# Altium PCB Motor.PcbDoc (part 2 of 2)
Units mm, origin at the board's own origin, x right, y up, seen from the top; angles counter-clockwise.
Board outline 250 x 130 mm, 2 copper layers (Top Layer, Bottom Layer), stack 1.671 mm thick; 225 components, 148 nets, 627 pads, 914 vias.
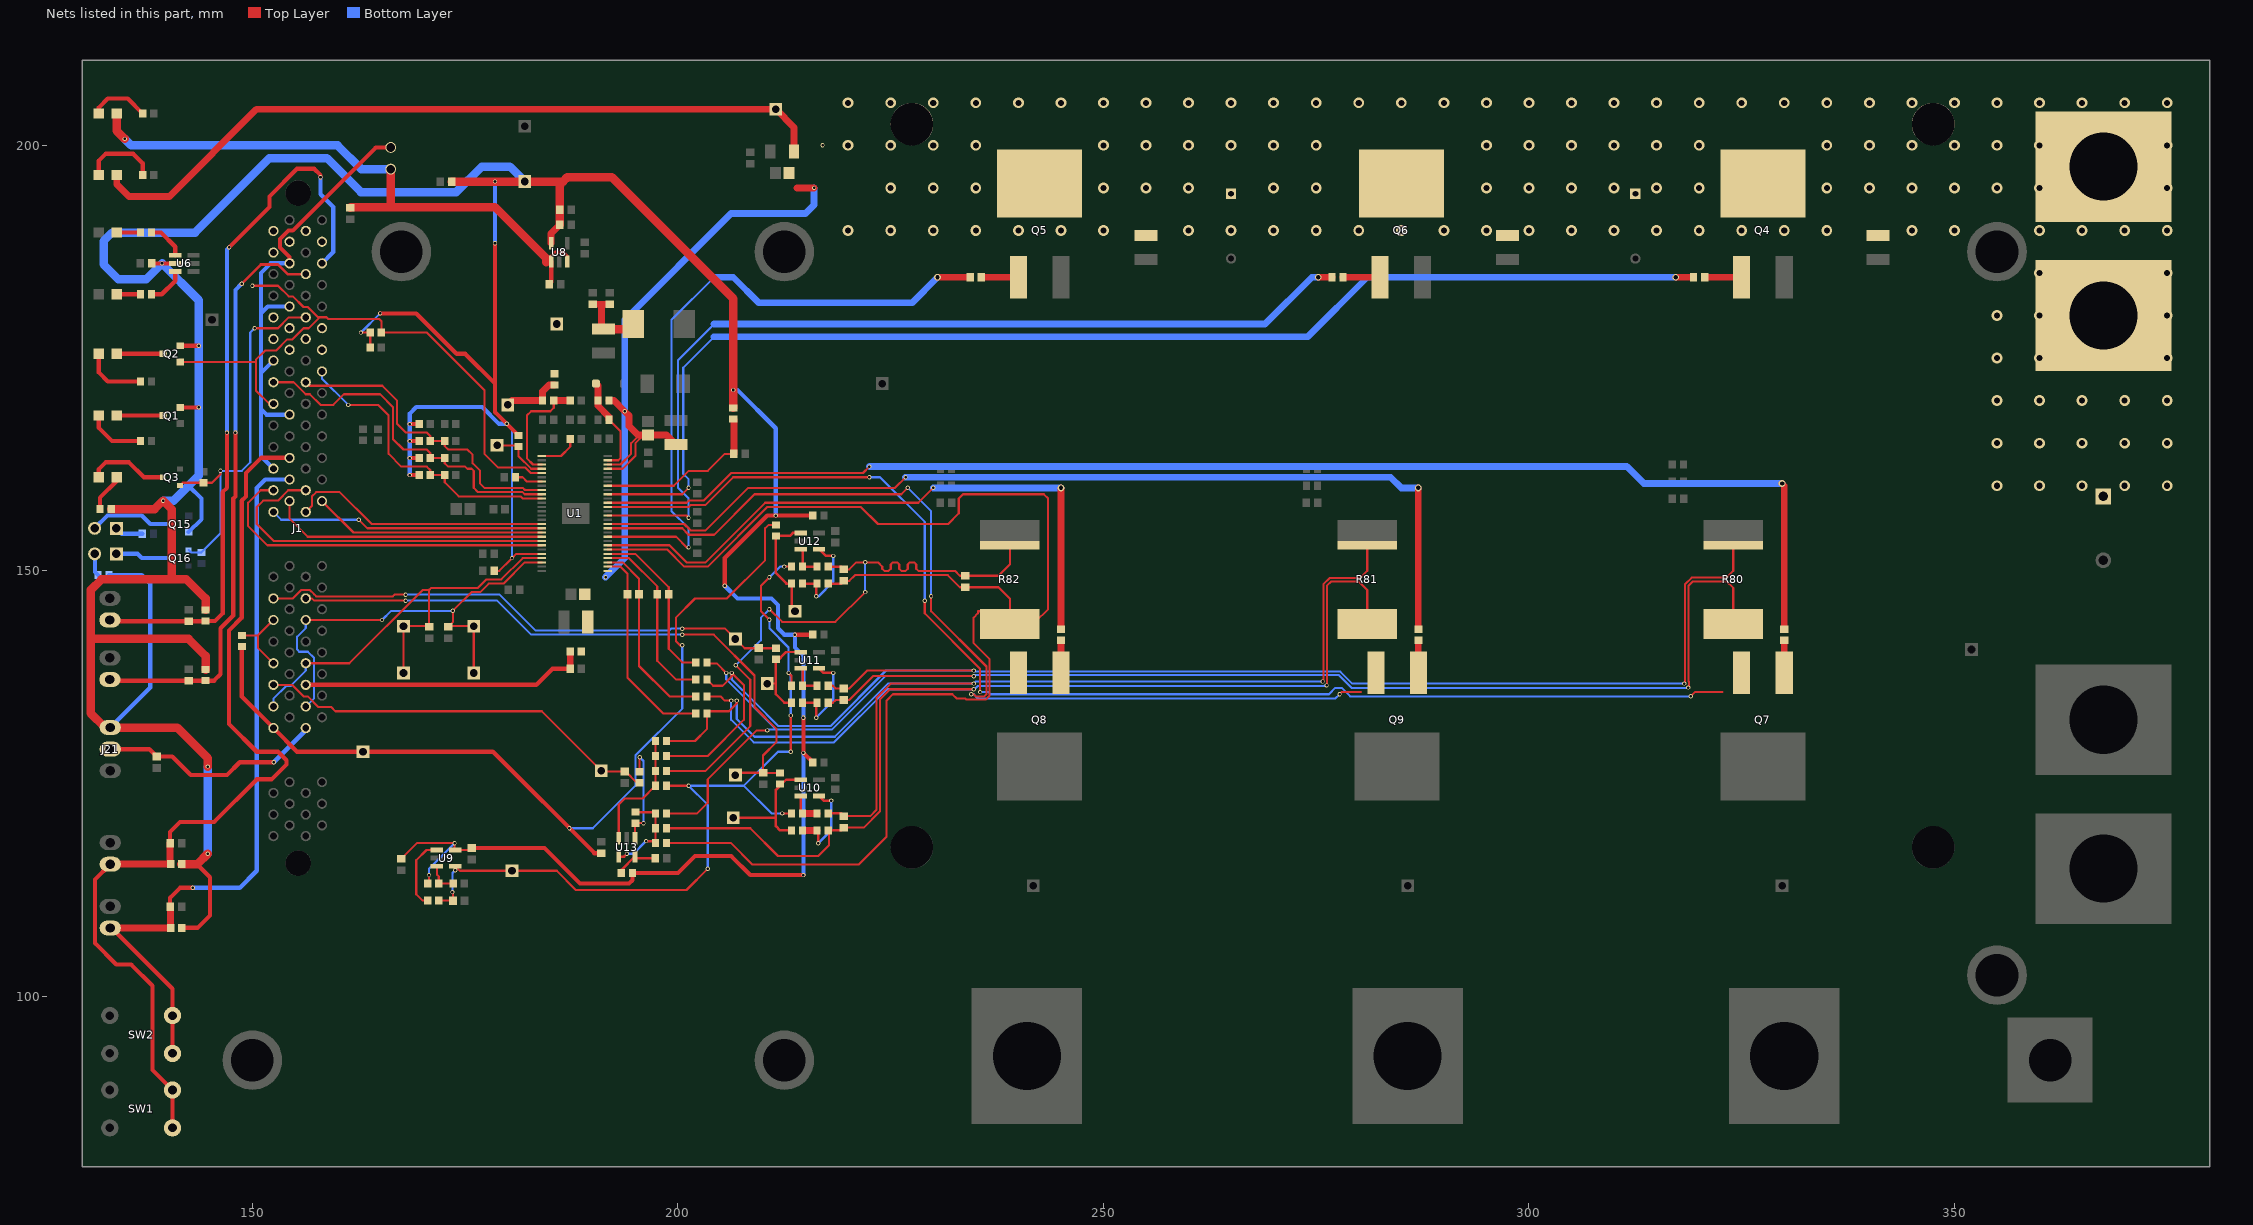
[diagram p2: the nets of this part, all layers, seen from the top]

## Via types
v1: diameter 1.27, hole 0.711, Top Layer to Bottom Layer, tented both sides, 670 vias
v2: diameter 0.5, hole 0.3, Top Layer to Bottom Layer, tented both sides, 214 vias
v3: diameter 1.524, hole 1.016, Top Layer to Bottom Layer, tented both sides, 24 vias
v4: diameter 0.8, hole 0.5, Top Layer to Bottom Layer, tented both sides, 6 vias

## Nets (pads, with @x,y where several pads share a name; then routed paths per layer and width w, separated by ;. In a path a pad name is that pad's centre, name@x,y a point inside that pad or via, vN(x,y) a via of type N, cw(c..) or ccw(c..) an arc to the next point about the centre after c; other vN are vias at no path point) (continued)
NetC79_1: C79.1 R110.2 U1.32 | length 21.4
  Top Layer w0.25: U1.32@191.75,151.5 194.25,151.5 197.575,148.175 C79.1@197.575,147.25 197.575,139.425 199.75,137.25 R110.2@202.1,137.25
NetC79_2: C79.2 R109.2 U1.33 | length 19.9
  Top Layer w0.25: U1.33@191.75,152 195,152 198.925,148.075 C79.2@198.925,147.25 198.925,140.825 200.5,139.25 R109.2@202.1,139.25
NetC80_1: C80.1 R112.2 U1.30 | length 24.7
  Top Layer w0.25: U1.30@191.75,150.5 193.25,150.5 194.075,149.675 C80.1@194.075,147.25 194.075,137.425 198.25,133.25 R112.2@202.1,133.25
NetC80_2: C80.2 R111.2 U1.31 | length 22.9
  Top Layer w0.25: U1.31@191.75,151 193.5,151 195.425,149.075 C80.2@195.425,147.25 195.425,138.825 199,135.25 R111.2@202.1,135.25
NetC85_2: C85.2 R117.2 U13.5 | length 5
  Top Layer w0.3: R117.2@193.35,114.5 193.35,114.85 194.925,116.425 U13.5@194.95,116.425 195.125,116.25 C85.2@197.325,116.25
NetC86_2: C86.2 J1.61 R130.1 TP23.1 | length 47.3
  Top Layer w0.254: J1.61@152.46,136.605 154.645,136.605 156,135.25 156.5,135.25 157.75,134 159.25,134 159.75,133.5 184,133.5 TP23.1@191,126.5 ; TP23.1@191.075,126.425 C86.2@193.75,126.425 ; C86.2@193.85,126.425 R130.1@195.175,125.1
NetC87_2: C87.2 J1.9 J1.17 TP15.1 TP16.1 U1.26 | length 52.6
  Top Layer w0.25: J1.17@156.27,144.225 v2(165.225,144.225) ; TP16.1@176,138.75 TP15.1@176,143.5 173.075,143.5 173.55,143.975 v2(173.55,145.3) 175.75,147.5 176.75,147.5 177.75,148.5 179.5,148.5 182,151 U1.26@184,151
  Bottom Layer w0.25: J1.9@156.27,134.065 157.25,135.045 157.25,139.75 156.5,140.5 155.5,140.5 155.25,140.75 155.25,142.25 156.27,143.27 J1.17@156.27,144.225 ; v2(165.225,144.225) 166.3,145.3 v2(173.55,145.3)
NetC88_2: C88.2 J1.13 J1.59 TP17.1 TP21.1 U1.25 | length 51.8
  Top Layer w0.25: J1.13@156.27,139.145 161.395,139.145 170,147.75 170.75,147.75 ; TP17.1@167.75,138.75 TP21.1@167.75,143.5 C88.2@170.675,143.5 ; C88.2@170.75,143.425 170.75,147.75 ; U1.25@184,151.5 181.75,151.5 179.25,149 177.5,149 176.5,148 171,148 170.75,147.75
  Bottom Layer w0.25: J1.59@152.46,134.065 152.46,134.96 154,136.5 154.5,136.5 156.27,138.27 J1.13@156.27,139.145
NetC95_2: C95.2 J1.19 R133.1 TP24.1 | length 74.9
  Top Layer w0.25: J1.19@156.27,146.765 156.985,146.765 157.25,146.5 v2(168,146.5) ; v2(200.5,142.5) 204.2,142.5 209,137.7 209,134 211.6,131.4 211.6,129.9 210,128.3 C95.2@210,126.275 207.025,126.275 TP24.1@206.75,126 ; C95.2@210.075,126.25 R133.1@212,126.25
  Bottom Layer w0.25: v2(168,146.5) 178.75,146.5 182.75,142.5 v2(200.5,142.5)
NetC96_2: C96.2 J1.69 R134.1 TP25.1 | length 62.6
  Top Layer w0.25: J1.69@152.46,146.765 154.765,146.765 155.75,147.75 156.75,147.75 157.25,147.25 157.5,147 166.5,147 166.7,147.2 v2(168,147.2) ; v2(200.5,143.21) 205.54,143.21 207.85,140.9 R134.1@211.5,140.9
  Bottom Layer w0.25: v2(168,147.2) 179.05,147.2 183.25,143 199,143 199.21,143.21 v2(200.5,143.21)
NetC97_2: C97.2 J1.57 R50.2 R135.1 TP19.1 | length 106.5
  Top Layer w0.25: v2(200.5,141.25) 200.25,141.25 199.75,141.75 199.75,144.5 202,146.75 205.75,146.75 210.25,151.25 210.25,155 210.65,155.4 R135.1@211.5,155.4
  Top Layer w0.5: R50.2@148.75,141.1 148.75,135.235 J1.57@152.46,131.525 155.235,128.75 178.25,128.75 190.175,116.825 C97.2@191,116.825
  Bottom Layer w0.25: v2(187.25,119.75) 190,119.75 194.998,124.748 194.998,128.308 200.5,133.81 v2(200.5,141.25)
NetC150_2: C150.2 J1.46 J50.1 R150.1 | length 84.2
  Top Layer w0.5: J50.1@133.25,144.23 133.405,144.075 C150.2@142.5,144.075 R150.1@144.5,144.075 ; R150.1@144.5,144.1 145.6,144.1 146.5,145 146.5,159.25 147,159.75 v2(147,166.25) ; v2(147.25,188) 152,192.75 152,194 155.25,197.25 157.25,197.25 158,196.5 v2(158,196.25)
  Bottom Layer w0.5: v2(147,166.25) 147,187.75 v2(147.25,188) ; v2(158,196.25) 158,194.25 159.5,192.75 159.5,187.46 J1.46@158.175,186.135
NetC151_2: C151.2 J1.45 J51.1 R151.1 | length 69.2
  Top Layer w0.3: v2(148.75,183.75) 151,186 153,186 154.135,184.865 J1.45@156.27,184.865
  Top Layer w0.5: J51.1@133.25,137.23 133.405,137.075 R151.1@144.5,137.075 ; R151.1@144.5,137.1 145.5,137.1 146.25,137.85 146.25,143.25 147.75,144.75 147.75,158.5 148,158.75 v2(148,166.25)
  Bottom Layer w0.5: v2(148,166.25) 148,183 v2(148.75,183.75)
NetD2_1: D2.1 R2.1 R3.2 U1.55 | length 11.5
  Top Layer w0.25: U1.55@191.75,163 193,163 193.25,163.25 193.25,166.4 R3.2@191.9,167.75
  Top Layer w0.8: D2.1@190.365,172 190.6,171.765 R2.1@190.6,170 190.6,169.4 191.9,168.1 R3.2@191.9,167.75
NetJ1_23: J1.23 U1.17 | length 30.9
  Top Layer w0.25: J1.23@156.27,156.925 157,157.655 157,158.75 157.5,159.25 160.25,159.25 164,155.5 U1.17@184,155.5
NetJ1_24: J1.24 U1.19 | length 27.4
  Top Layer w0.25: J1.24@158.175,158.195 161.87,154.5 U1.19@184,154.5
NetJ1_25: J1.25 U1.21 | length 42.9
  Top Layer w0.25: J1.25@156.27,159.465 154.215,159.465 153,158.25 151.25,158.25 150.5,157.5 150.5,155.5 152.5,153.5 U1.21@184,153.5
NetJ1_63: J1.63 J1.67 R50.1 | length 8.5
  Top Layer w0.25: R50.1@148.75,142.4 150.635,142.4 ; J1.63@152.46,139.145 150.635,140.97 150.635,142.4 ; J1.67@152.46,144.225 150.635,142.4
NetJ1_73: J1.73 U1.18 | length 32.3
  Top Layer w0.25: v2(162.5,156) 163.5,155 U1.18@184,155
  Bottom Layer w0.25: J1.73@152.46,156.925 153.385,156 v2(162.5,156)
NetJ1_74: J1.74 U1.20 | length 32.6
  Top Layer w0.25: J1.74@154.365,158.195 154.365,156.135 156.5,154 U1.20@184,154
NetJ1_75: J1.75 U1.22 | length 41.7
  Top Layer w0.25: J1.75@152.46,159.465 150.965,159.465 149.5,158 149.5,155.25 151.75,153 U1.22@184,153
NetJ1_83: J1.83 Q2.1 R10.2 U1.5 | length 73.1
  Top Layer w0.25: Q2.1@141.5,174.55 150.35,174.55 150.4,174.5 ; v2(150,183.5) 153,183.5 154.25,182.25 154.75,182.25 156,181 156.5,181 157.7,179.8 157.9,179.8 ; J1.83@152.46,169.625 151.975,169.625 150.4,171.2 150.4,174.5 ; U1.5@184,161.5 182.717,161.5 182.09,162.127 178.873,162.127 177.25,163.75 177.25,171.25 170.5,178 R10.2@165.15,178 165.15,179.35 164.9,179.6 158.9,179.6 158.7,179.8 157.9,179.8 ; 150.4,174.5 150.4,174.8 151.5,175.9 152.8,175.9 154.1,177.2 154.7,177.2 156,178.5 156.6,178.5 157.9,179.8
NetJ30_1: J30.1 Q16.2 | length 6.7
  Bottom Layer w0.5: J30.1@134,152 136.5,152 137,151.5 Q16.2@140.5,151.5
NetJ30_2: J30.2 R156.1 | length 2.7
  Bottom Layer w0.5: J30.2@131.46,152 131.5,151.96 131.5,149.85 R156.1@131.85,149.5
NetJ31_1: J31.1 R157.2 | length 3.3
  Bottom Layer w0.5: J31.1@134,155 134.643,154.357 R157.2@137.064,154.357
NetJ31_2: J31.2 Q15.2 | length 10.1
  Bottom Layer w0.5: J31.2@131.46,155 132.96,156.5 137,156.5 138,155.5 Q15.2@140.5,155.5
NetLED1_2: LED1.2 R48.2 | length 9
  Top Layer w0.5: LED1.2@131.95,196.5 131.95,198.2 132.75,199 136,199 137.1,197.9 R48.2@137.1,196.5
NetLED3_2: LED3.2 R49.2 | length 7
  Top Layer w0.5: LED3.2@131.95,203.75 131.95,204.45 133,205.5 135.35,205.5 R49.2@137.1,203.75
NetLED5_1: LED5.1 Q2.2 | length 5.4
  Top Layer w0.5: LED5.1@134.05,175.5 Q2.2@139.5,175.5
NetLED5_2: LED5.2 R15.1 | length 7.5
  Top Layer w0.5: LED5.2@131.95,175.5 131.95,173.3 133,172.25 R15.1@136.85,172.25
NetLED6_1: LED6.1 Q1.2 | length 5.4
  Top Layer w0.5: LED6.1@134.05,168.25 Q1.2@139.5,168.25
NetLED6_2: LED6.2 R14.1 | length 7
  Top Layer w0.5: LED6.2@131.95,168.25 131.95,166.8 133.5,165.25 R14.1@136.85,165.25
NetLED10_1: LED10.1 R27.2 | length 2.8
  Top Layer w0.5: LED10.1@134.05,189.75 R27.2@136.85,189.75
NetLED11_1: LED11.1 R24.2 | length 2.8
  Top Layer w0.5: LED11.1@134.05,182.5 R24.2@136.85,182.5
NetLED12_1: LED12.1 R18.2 | length 4.6
  Top Layer w0.5: R18.2@132.1,157.25 132.1,158.6 134.05,160.55 LED12.1@134.05,161
NetLED12_2: LED12.2 Q3.2 | length 9.6
  Top Layer w0.5: LED12.2@131.95,161 131.95,161.95 132.75,162.75 135.5,162.75 137.25,161 Q3.2@139.5,161
NetQ4_2: Q4.2 R66.1 | length 4.4
  Top Layer w0.8: R66.1@320.65,184.5 Q4.2@325,184.5
NetQ5_2: Q5.2 R67.1 | length 4.3
  Top Layer w0.8: R67.1@235.65,184.5 Q5.2@240,184.5
NetQ6_2: Q6.2 R68.1 | length 4.3
  Top Layer w0.8: R68.1@278.15,184.5 Q6.2@282.5,184.5
NetQ7_2: Q7.2 R69.1 | length 3.9
  Top Layer w0.8: Q7.2@330,138 R69.1@330,141.85
NetQ7_3: Q7.3 R80.1 U1.44 | length 151.9
  Top Layer w0.25: U1.44@191.75,157.5 201.25,157.5 201.5,157.75 203.25,157.75 206.5,161 v2(222.5,161) ; v2(229,146.5) 229,145 235.5,138.5 v2(235.5,135.75) ; v2(319,135.25) 319.5,135.75 322.75,135.75
  Bottom Layer w0.25: v2(222.5,161) 223.75,161 229,155.75 v2(229,146.5) ; v2(235.5,135.75) 236.5,135.75 236.75,135.5 276.5,135.5 277.25,136.25 278,136.25 279,135.25 v2(319,135.25)
NetQ8_2: Q8.2 R70.1 | length 3.8
  Top Layer w0.8: Q8.2@245,138 R70.1@245,141.85
NetQ8_3: Q8.3 R82.1 U1.34 | length 76.4
  Top Layer w0.25: U1.34@191.75,152.5 198.75,152.5 200.75,150.5 203.5,150.5
  Top Layer w0.254: 203.5,150.5 210.5,157.5 221.5,157.5 223.5,155.5 231.75,155.5 233,156.75 233,158.5 233.5,159 243,159 243.5,158.5 243.5,145.5 242,144 R82.1@239.75,144
NetQ9_2: Q9.2 R71.1 | length 3.8
  Top Layer w0.8: Q9.2@287,138 R71.1@287,141.85
NetQ9_3: Q9.3 R81.1 U1.39 | length 114.2
  Top Layer w0.254: U1.39@191.75,155 200.5,155 201.25,154.25 204.25,154.25 209,159 226.25,159 v2(227,159.75) ; v2(229.75,147) 229.75,145.25 236.25,138.75 236.25,135.5 235.996,135.246 235.004,135.246 234.748,135.502 v2(234.451,135.502) ; v2(277.75,135.5) 278,135.75 280.25,135.75
  Bottom Layer w0.254: v2(227,159.75) 229.75,157 v2(229.75,147) ; v2(234.451,135.502) 234.453,135.5 234.75,135.5 235.25,135 277.25,135 v2(277.75,135.5)
NetR1_1: R1.1 U1.1 | length 4.7
  Top Layer w0.25: U1.1@184,163.5 186.25,163.5 187.35,164.6 R1.1@187.35,165.5
NetR5_1: R5.1 R6.2 TP2.1 | length 7.1
  Top Layer w0.8: TP2.1@180,169.5 180.5,170 R6.2@184.1,170 184.1,171.1 184.85,171.85 R5.1@185.5,171.85
NetR6_1: R6.1 R7.2 U1.3 | length 13.4
  Top Layer w0.25: U1.3@184,162.5 182.967,162.5 182.25,163.217 182.25,168.25 182.75,168.75 185,168.75 185.4,169.15 R6.1@185.4,170
  Top Layer w0.8: R6.1@185.4,170 R7.2@187.35,170
NetR8_1: R8.1 U1.7 | length 3.3
  Top Layer w0.25: R8.1@180.9,161 181.75,161 182.246,160.504 184,160.504 U1.7@184,160.5
NetR24_1: R24.1 U6.6 | length 4.5
  Top Layer w0.5: R24.1@138.15,182.5 139.35,182.5 140.925,184.075 U6.6@140.925,185.175
NetR27_1: R27.1 U6.4 | length 4.5
  Top Layer w0.5: R27.1@138.15,189.75 139.25,189.75 140.925,188.075 U6.4@140.925,187.075
NetR37_2: R37.2 R38.1 U9.3 | length 3.8
  Top Layer w0.25: U9.3@171.675,115.3 171.675,114.325 171.9,114.1 R37.2@171.9,113.25 R38.1@173.6,113.25
NetR66_2: R66.2 U1.47 | length 147.3
  Top Layer w0.25: U1.47@191.75,159 200.5,159 v2(201.25,159.75)
  Top Layer w0.8: v4(317.25,184.5) R66.2@319.35,184.5
  Bottom Layer w0.25: v2(201.25,159.75) 201.25,160.75 200.627,161.373 200.627,173.877 204.25,177.5
  Bottom Layer w0.8: 204.25,177.5 274,177.5 281,184.5 v4(317.25,184.5)
NetR67_2: R67.2 U1.37 | length 77.3
  Top Layer w0.25: U1.37@191.75,154 199.783,154 201.033,152.75 v2(201.25,152.75)
  Top Layer w0.8: v4(230.5,184.5) R67.2@234.35,184.5
  Bottom Layer w0.25: v2(201.25,152.75) 201.25,155 199.25,157 199.25,179.5 204.25,184.5
  Bottom Layer w0.8: 204.25,184.5 206.5,184.5 209.5,181.5 227.5,181.5 v4(230.5,184.5)
NetR68_2: R68.2 U1.42 | length 109.5
  Top Layer w0.25: U1.42@191.75,156.5 201,156.5 v2(201.25,156.25)
  Top Layer w0.8: v4(275.25,184.5) R68.2@276.85,184.5
  Bottom Layer w0.25: v2(201.25,156.25) 201.25,158.5 200,159.75 200,174.75 204.25,179
  Bottom Layer w0.8: 204.25,179 269,179 274.5,184.5 v4(275.25,184.5)
NetR69_2: R69.2 U1.45 | length 157.8
  Top Layer w0.25: U1.45@191.75,158 201,158 201.25,158.25 203,158.25 206.25,161.5 221.75,161.5 v2(222.5,162.25)
  Top Layer w0.8: v4(329.75,160.25) 330,160 R69.2@330,143.15
  Bottom Layer w0.8: v2(222.5,162.25) 311.5,162.25 313.5,160.25 v4(329.75,160.25)
NetR70_2: R70.2 U1.35 | length 74.3
  Top Layer w0.25: U1.35@191.75,153 199,153 201,151 203.25,151 210.25,158 228.25,158 v2(230,159.75)
  Top Layer w0.8: R70.2@245,143.15 v4(245,159.75)
  Bottom Layer w0.8: v2(230,159.75) v4(245,159.75)
NetR71_2: R71.2 U1.40 | length 115.3
  Top Layer w0.25: U1.40@191.75,155.5 200.717,155.5 201.467,154.75 203.25,154.75 208.25,159.75 225.5,159.75 v2(226.75,161)
  Top Layer w0.8: R71.2@287,143.15 v4(287,159.75)
  Bottom Layer w0.8: v2(226.75,161) 283.75,161 285,159.75 v4(287,159.75)
NetR87_1: R87.1 U9.1 | length 8.6
  Top Layer w0.25: R87.1@170.6,111.25 170,111.25 169.25,112 169.25,116 170.45,117.2 U9.1@171.675,117.2
NetR92_1: R92.1 R107.2 U10.3 | length 3.8
  Top Layer w0.3: U10.3@214.425,123.55 214.425,121.725 R107.2@214.65,121.5
  Top Layer w0.8: R107.2@214.65,121.5 R92.1@216.35,121.5
NetR94_1: R94.1 R95.2 U10.4 | length 10.5
  Top Layer w0.3: R94.1@216.35,119.5 216.5,119.35 v2(216.5,118) ; U10.4@216.575,123.55 217.125,123 v2(218,123)
  Top Layer w0.8: R95.2@214.65,119.5 R94.1@216.35,119.5
  Bottom Layer w0.3: v2(216.5,118) 218,119.5 v2(218,123)
NetR95_1: R95.1 R133.2 TP18.1 U10.1 | length 14.7
  Top Layer w0.254: R133.2@212.25,125 212.7,125.45 U10.1@214.425,125.45
  Top Layer w0.3: TP18.1@206.5,121 211.5,121 ; R133.2@212.25,125 211.5,124.25 211.5,121 ; R95.1@213.35,119.5 212,119.5 211.5,120 211.5,121
NetR99_1: R99.1 R113.2 U12.3 | length 3.8
  Top Layer w0.3: U12.3@214.425,152.55 214.65,152.325 R113.2@214.65,150.5 R99.1@216.35,150.5
NetR101_1: R101.1 R108.2 U11.3 | length 3.5
  Top Layer w0.3: U11.3@214.65,138.325 R108.2@214.65,136.5 R101.1@216.35,136.5
NetR102_1: R102.1 R103.2 U12.4 | length 11
  Top Layer w0.3: R103.2@214.65,148.5 R102.1@216.35,148.5 216.25,148.4 v2(216.25,147) ; U12.4@216.575,152.55 217.375,151.75 v2(218.25,151.75)
  Bottom Layer w0.3: v2(216.25,147) 216.5,147 218.25,148.75 v2(218.25,151.75)
NetR103_1: R103.1 R135.2 TP27.1 U12.1 | length 13.2
  Top Layer w0.3: TP27.1@213.75,145.25 213.35,145.65 R103.1@213.35,148.5 212.75,148.5 211.5,149.75 R135.2@211.5,154.1 213.15,154.1 213.5,154.45 U12.1@214.425,154.45
NetR104_1: R104.1 R105.2 U11.4 | length 11.5
  Top Layer w0.3: R105.2@214.65,134.5 R104.1@216.35,134.5 216.25,134.4 v2(216.25,132.75) ; U11.4@216.575,138.55 217.125,138 v2(218.25,138)
  Bottom Layer w0.3: v2(216.25,132.75) 218.25,134.75 v2(218.25,138)
NetR105_1: R105.1 R134.2 TP22.1 U11.1 | length 10.4
  Top Layer w0.25: TP22.1@210.5,136.75 211.5,136.75
  Top Layer w0.254: 212.7,140.45 U11.1@214.425,140.45
  Top Layer w0.3: 212.7,140.45 211.5,139.25 211.5,136.75 211.5,135.5 212.5,134.5 R105.1@213.35,134.5
NetR122_1: R122.1 R123.1 R124.1 R128.1 U13.3 | length 14.4
  Top Layer w0.254: U13.3@193.05,118.575 193.05,122.55 193.75,123.25 195.85,123.25 R128.1@197.35,124.75 R124.1@197.35,126.5 R122.1@197.35,128.25 R123.1@197.35,130
NetR125_1: R125.1 R126.1 R127.1 R129.2 U13.4 | length 10.8
  Top Layer w0.254: R129.2@195,121.635 R125.1@197.23,121.635 ; R127.1@197.365,118.134 R125.1@197.365,121.5
  Top Layer w0.3: U13.4@193.05,116.425 193.675,116.425 v2(194,116.75) ; v2(196.25,118.25) 197.1,118.25 R127.1@197.35,118
  Bottom Layer w0.3: v2(194,116.75) 194.75,116.75 v2(196.25,118.25)
NetR129_1: R129.1 R130.2 U13.1 | length 12.4
  Top Layer w0.254: U13.1@194.95,118.575 194.95,120.315 R129.1@195,120.365 ; R129.1@195,120.35 v2(195.95,120.35) ; R130.2@195.5,126.4 v2(195.5,128.1)
  Bottom Layer w0.254: v2(195.5,128.1) 195.95,127.65 v2(195.95,120.35)
PVDD: C5.2 C6.2 C7.2 C8.2 C50.1 C51.2 C81.2 C82.2 C83.2 C93.1 C94.1 LED1.1 M1.1 M2.1 pad.1 pad.2@347.5,202.5 Q4.1 Q5.1 Q6.1 R2.2 R35.1 R39.2 TP6.1 U1.29 U1.53 U1.54 | length 175.6
  Top Layer w0.25: U1.53@191.75,162 193.5,162 195,163.5 195,165 C5.2@195.95,165.95 ; U1.54@191.75,162.5 193.25,162.5 194.5,163.75 194.5,165 195.45,165.95
  Top Layer w0.8: LED1.1@134.05,196.5 134.05,195.45 135.5,194 140.25,194 150.5,204.25 TP6.1@211.5,204.25 213.65,202.1 R39.2@213.65,199.25 ; R2.2@191.9,170 192.5,170 v2(193.75,168.75) 194.25,168.25 194.25,167 195.3,165.95 195.45,165.95 195.95,165.95 C5.2@196.5,165.95 198.65,165.95 C6.2@199.75,164.85 ; 214,195 v2(216,195)
  Bottom Layer w0.8: v2(191.5,149.25) 193.75,151.5 v2(193.75,168.75) 193.75,179.5 206.25,192 215,192 216,193 v2(216,195)
  other v1: 355,160 360,160 365,160 370,160 375,160 355,165 360,165 365,165 370,165 375,165 355,170 360,170 365,170 370,170 375,170 355,175 360,175 375,175 355,180 360,180 375,180 360,185 375,185 220,190 225,190 230,190 235,190 240,190 245,190 250,190 260,190 265,190 270,190 275,190 280,190 285,190 290,190 295,190 300,190 305,190 310,190 315,190 320,190 325,190 330,190 335,190 345,190 350,190 360,190 365,190 370,190 375,190 225,195 230,195 235,195 250,195 255,195 260,195 270,195 275,195 295,195 300,195 305,195 310,195 315,195 320,195 335,195 340,195 345,195 350,195 355,195 360,195 375,195 220,200 225,200 230,200 235,200 250,200 255,200 260,200 265,200 270,200 275,200 295,200 300,200 305,200 310,200 315,200 320,200 335,200 340,200 345,200 350,200 355,200 360,200 375,200 220,205 225,205 230,205 235,205 240,205 245,205 250,205 255,205 260,205 265,205 270,205 275,205 280,205 285,205 290,205 295,205 300,205 305,205 310,205 315,205 320,205 325,205 330,205 335,205 340,205 345,205 350,205 355,205 360,205 365,205 370,205 375,205
  other v2: 217,200
PWRGD: R11.2 TP3.1 U1.4 | length 7
  Top Layer w0.25: TP3.1@178.75,164.75 181.1,164.75 R11.2@181.25,164.6 181.25,163.5 182.75,162 U1.4@184,162
QEPA: J1.40
QEPB: J1.90
QEPI: J1.91
REF_1.65V: C48.2 R87.2 R107.1 R108.1 R113.1 R128.2 TP5.1 U9.4 | length 98.8
  Top Layer w0.254: R87.2@171.9,111.25 C48.2@173.575,111.25 173.575,112.175 v2(173.5,112.25) ; v2(173.825,114.825) U9.4@173.825,115.3 174.375,114.75 TP5.1@180.5,114.75 185.75,114.75 188,112.5 201,112.5 v2(203.5,115) ; R128.2@198.65,124.75 v2(201.25,124.75) ; v2(210.75,144.25) 209.75,145.25 209.75,148.25 v2(210.75,149.25) ; v2(212.25,121.5) R107.1@213.35,121.5 ; v2(212.5,150.5) R113.1@213.35,150.5 ; v2(213,138) 213.35,137.65 R108.1@213.35,136.5 ; v2(213.25,128.75) v2(213.25,133)
  Bottom Layer w0.254: v2(173.5,112.25) 173.5,114.5 v2(173.825,114.825) ; v2(203.5,115) 203.5,122.5 v2(201.25,124.75) 207.75,124.75 ; v2(210.75,144.25) 210.75,143.25 213,141 v2(213,138) 213.25,137.75 v2(213.25,133) ; v2(210.75,149.25) 212,150.5 v2(212.5,150.5) ; v2(212.25,121.5) 211,121.5 207.75,124.75 ; v2(213.25,128.75) 211.75,128.75 207.75,124.75
SCLK: J1.36 R40.2 R41.1 U1.11 | length 36
  Top Layer w0.25: v2(161.25,169.5) 164.75,169.5 166,168.25 166,163.75 167.5,162.25 170.5,162.25 170.9,161.85 R40.2@170.9,161.25 R41.1@172.6,161.25 172.6,160.4 174.25,158.75 177.452,158.75 177.458,158.756 181.494,158.756 181.75,158.5 U1.11@184,158.5
  Bottom Layer w0.25: J1.36@158.175,173.435 158.175,172.575 v2(161.25,169.5)
SDI: J1.35 R44.2 R45.1 U1.9 | length 36.8
  Top Layer w0.25: J1.35@156.27,172.165 156.685,171.75 165.25,171.75 167,170 167,167.25 168,166.25 170.5,166.25 170.9,165.85 R44.2@170.9,165.25 R45.1@172.6,165.25 172.6,164.65 173,164.25 175.25,164.25 175.873,163.627 175.873,162.627 176.75,161.75 176.75,160.25 177.25,159.75 181.783,159.75 182.033,159.5 U1.9@184,159.5
SDO: J1.85 R42.2 R43.1 U1.10 | length 42.1
  Top Layer w0.25: J1.85@152.46,172.165 154.835,172.165 156.25,170.75 156.75,170.75 158,169.5 159.5,169.5 160.75,170.75 165,170.75 166.5,169.25 166.5,165.5 167.75,164.25 170.5,164.25 170.9,163.85 R42.2@170.9,163.25 R43.1@172.6,163.25 172.6,162.65 173,162.25 174.996,162.25 175.25,161.996 175.754,161.996 176,161.75 176,159.75 176.5,159.25 181.75,159.25 182,159 U1.10@184,159
SENSE1_N: C78.1 R80.3 R104.2 R109.1 R125.2 | length 179.9
  Top Layer w0.25: R125.2@198.65,121.5 202.25,121.5 203.5,122.75 203.5,125.5 209.25,131.25 v2(210.5,131.25) ; R109.1@203.4,139.25 203.525,139.125 204.545,139.125 v2(205.67,138) ; R104.2@217.65,134.5 218.2,134.5 218.525,134.825 C78.1@219.5,134.825 220.125,134.825 222.925,137.625 v2(234.75,137.625) ; v2(318.717,136.283) 318.75,136.317 318.75,136.493 318.785,136.528 318.785,136.972 318.75,137.007 318.75,148.25 319.25,148.75 323.25,148.75 324,148 R80.3@324,145.252
  Bottom Layer w0.25: v2(205.67,138) 205.67,137.25 211.58,131.34 ; v2(210.5,131.25) 210.59,131.34 211.58,131.34 ; v2(318.717,136.283) 318.648,136.215 279.205,136.215 277.67,137.75 234.875,137.75 v2(234.75,137.625) 224.375,137.625 218.09,131.34 211.58,131.34
SENSE1_P: C78.2 R80.4 R101.2 R110.1 R122.2 | length 178.5
  Top Layer w0.25: R122.2@198.65,128.25 203.5,128.25 207.75,132.5 207.75,136.58 v2(206.33,138) 206.33,137.58 205.25,136.5 204.15,136.5 R110.1@203.4,137.25 ; R101.2@217.65,136.5 218.2,136.5 218.525,136.175 C78.2@219.5,136.175 220.125,136.175 222.235,138.285 v2(234.75,138.285) ; v2(318.25,136.75) 318.34,136.84 318.34,148.42 319.125,149.205 323.205,149.205 324,150 R80.4@324,153
  Bottom Layer w0.25: v2(206.33,138) 206.33,137.237 208.908,134.658 211.817,131.75 217.92,131.75 224.455,138.285 v2(234.75,138.285) 234.875,138.16 277.84,138.16 279.25,136.75 v2(318.25,136.75)
SENSE2_N: C75.1 R81.3 R94.2 R111.1 R126.2 | length 152.8
  Top Layer w0.25: R126.2@198.65,119.75 208.5,119.75 211.75,116.5 216.5,116.5 217.75,117.75 217.75,119.4 R94.2@217.65,119.5 ; R111.1@203.4,135.25 205,135.25 205.5,134.75 v2(206.25,134.75) ; C75.1@219.5,119.825 221.825,119.825 223.75,121.75 223.75,134.92 224.92,136.09 v2(234.75,136.09) ; v2(276.217,136.533) 276.25,136.567 276.25,136.743 276.285,136.778 276.285,137.222 276.25,137.257 276.25,148.25 276.75,148.75 280,148.75 281,147.75 R81.3@281,145.252
  Top Layer w0.3: R94.2@217.65,119.5 C75.1@219.175,119.5
  Bottom Layer w0.25: v2(206.25,134.75) 206.25,134.5 206.25,132.5 208.91,129.84 218.34,129.84 224.59,136.09 v2(234.75,136.09) 234.847,136.09 235.222,136.465 275.972,136.465 276.04,136.533 v2(276.217,136.533)
SENSE2_P: C75.2 R81.4 R92.2 R112.1 R123.2 | length 137.7
  Top Layer w0.25: R123.2@198.65,130 202,130 203.4,131.4 R112.1@203.4,133.25 203.65,133.5 206,133.5 206.91,134.41 v2(206.91,134.75) ; C75.2@219.5,121.175 222.595,121.175 223.34,121.92 223.34,135.09 225,136.75 v2(234.75,136.75) ; v2(275.75,137) 275.84,137.09 275.84,148.42 276.58,149.16 280.16,149.16 281,150 R81.4@281,153
  Top Layer w0.3: R92.2@217.65,121.5 219.175,121.5 C75.2@219.5,121.175
  Bottom Layer w0.25: v2(206.91,134.75) 206.91,132.59 209,130.5 218.42,130.5 224.67,136.75 v2(234.75,136.75) 235,137 v2(275.75,137)
SENSE3_N: C84.1 C98.2 R82.3 R102.2 R127.2 | length 96.2
  Top Layer w0.25: R127.2@198.65,118 206.25,118 208.75,115.5 221.25,115.5 224.5,118.75 224.5,134.75 225.25,135.5 232.25,135.5 232.75,135 233.75,135 233.883,134.867 236.153,134.867 236.629,135.343 236.629,139.621 234.75,141.5 234.75,144.5 235.248,144.998 235.248,145.252 239,145.252 239,146.75 237.675,148.075 C98.2@233.75,148.075 233.125,148.075 231.7,149.5 220.8,149.5 220.125,148.825 C84.1@219.5,148.825
  Top Layer w0.3: R102.2@217.65,148.5 219.175,148.5 C84.1@219.5,148.825
SENSE3_P: C84.2 C98.1 R82.4 R99.2 R124.2 | length 72.7
  Top Layer w0.25: R124.2@198.65,126.5 203.25,126.5 208.5,131.75 208.5,137.2 v2(206.8,138.9) ; v2(210.75,145.5) 212.25,144 218.5,144 v2(222,147.5) ; C84.2@219.5,150.175 220.125,150.175 220.95,151 v2(222,151) 223.5,151 224,150.5 224,150.25 224.25,150 224.75,150 225,150.25 225,150.75 225.25,151 225.75,151 226,150.75 226,150.25 226.25,150 226.75,150 227,150.25 227,150.75 227.25,151 227.75,151 228,150.75 228,150.25 228.25,150 232.55,150 233.125,149.425 C98.1@233.75,149.425 237.675,149.425 239,150.75 R82.4@239,153
  Top Layer w0.3: R99.2@217.65,150.5 C84.2@219.175,150.5
  Bottom Layer w0.25: v2(206.8,138.9) 209.75,141.85 209.75,144.5 v2(210.75,145.5) ; v2(222,147.5) v2(222,151)
SPI_CLK: J1.39
SPI_SIMO: J1.38
SPI_SOMI: J1.88
SPI_STE: J1.89
START: C28.2 J1.78 J23.1 R19.1 SW1.2 SW1.4 | length 109.5
  Top Layer w0.5: J23.1@133.32,115.55 J23.1@133.3,115.53 131.5,113.73 131.5,106.25 134,103.75 135.75,103.75 138.25,101.25 138.25,91.342 SW1.2@140.604,88.988 SW1.4@140.604,84.543 ; C28.2@140.325,118 140.325,119.325 141.5,120.5 145.5,120.5 150.5,125.5 152.25,125.5 154,127.25 154,127.75 153,128.75 150.5,128.75 147.25,132 147.25,143 148.75,144.5 148.75,158.25 149.25,158.75 149.25,161.5 151.025,163.275 J1.78@154.365,163.275
  Top Layer w0.8: J23.1@133.32,115.55 R19.1@140.4,115.55 ; R19.1@140.325,115.625 C28.2@140.325,118
STATUS: J1.41 Q3.1 Q16.1 R21.1 R155.1 | length 44.3
  Top Layer w0.25: Q3.1@141.5,160.05 141.8,160.35 R21.1@144.25,160.35 145.25,160.35 146.25,161.35 v2(146.25,161.75) ; v2(150.25,178.5) 153,178.5 154.285,179.785 J1.41@156.27,179.785
  Bottom Layer w0.25: Q16.1@142.5,152.45 142.8,152.15 R155.1@144,152.15 146.25,154.4 v2(146.25,161.75) ; v2(146.25,161.75) 148.75,161.75 149.75,162.75 149.75,178 v2(150.25,178.5)
STOP: C32.2 J1.76 J24.1 R25.1 SW2.2 SW2.4 | length 89
  Top Layer w0.5: J24.1@133.3,108.03 133.47,108.03 140.604,100.896 SW2.2@140.604,97.738 SW2.4@140.604,93.293 ; C32.2@140.325,110.5 140.325,111.575 141.5,112.75 v2(143,112.75) ; R25.1@140.38,108.05 R25.1@140.4,108.05
  Top Layer w0.8: J24.1@133.47,108.03 140.38,108.03 140.38,108.05 C32.2@140.38,110.445
  Bottom Layer w0.5: v2(143,112.75) 148.5,112.75 150.5,114.75 150.5,159.735 151.5,160.735 J1.76@154.365,160.735
TCK: J1.48
TDI: J1.97
TDO: J1.98
TMS: J1.49
TRSTN: J1.99
TSI: C34.2 J1.7 J21.2 | length 26.7
  Top Layer w0.5: J21.2@133.3,129.05 137.875,129.05 C34.2@138.75,128.175 140.575,128.175 142.75,126 147,126 148.5,127.5 v2(152.5,127.5)
  Bottom Layer w0.5: v2(152.5,127.5) 156.27,131.27 J1.7@156.27,131.525
VCC_3.3V: C35.2 C42.2 C45.2 C46.2 C52.2 C59.2 C72.2 J21.3 Q1.3 Q2.3 Q15.3 R9.1 R10.1 R11.1 R18.1 R19.2 R25.2 R37.1 R40.1 R42.1 R44.1 R46.1 R91.1 R97.1 R98.1 R117.1 R132.1 R150.2 R151.2 R156.2 TP4.1 U1.24 U6.5 U8.5 U9.5 | length 539.6
  Top Layer w0.25: v2(162.75,178) R10.1@163.85,178 R9.1@163.85,176.25 ; C72.2@178.675,150 179,150 v2@180.375,151.375 ; v2(180.5,151.5) 181,152 U1.24@184,152
  Top Layer w0.254: C52.2@167.5,116.175 169.325,118 v2(173.75,118) 173.75,117.275 U9.5@173.825,117.2 175.5,117.2 C59.2@175.737,117.438 ; R37.1@170.6,113.25 170.75,113.4 v2(170.75,114.25)
  Top Layer w0.5: 133.25,149 133.4,149.15 ; C35.2@138.175,186.125 v2(139.375,186.125) U6.5@140.925,186.125 ; Q1.3@141.5,169.2 v2(143.7,169.2) ; Q2.3@141.5,176.45 v2(143.7,176.45) ; R25.2@141.7,108.05 143.55,108.05 145,109.5 145,114 143.45,115.55 ; v2(165,180.25) 169.25,180.25 174,175.5 175,175.5 178.5,172 ; v2(168.5,161.25) R40.1@169.6,161.25 ; v2(168.5,163.25) R42.1@169.6,163.25 ; v2(168.5,165.25) R44.1@169.6,165.25 ; v2(168.5,167.25) R46.1@169.6,167.25 ; C59.2@175.75,117.425 184.325,117.425 188.5,113.25 194.25,113.25 194.65,113.65 R117.1@194.65,114.5 200,114.5 202,116.5 206.25,116.5 208.5,114.25 v2(214.75,114.25) ; v2(178.5,188.5) 178.5,172 ; R11.1@181.25,165.9 178.5,168.65 178.5,172 ; v2(205.5,148.25) 205.5,151.5 210.5,156.5 v2(211.5,156.5) R97.1@215.85,156.5 ; v2(213.75,142.5) R98.1@215.85,142.5 ; v2(214.75,132.75) v2(214.75,128.6) R91.1@215.85,127.5
  Top Layer w0.8: U8.5@185.1,188.5 185.1,189.65 C46.2@186.125,190.675
  Top Layer w1: R18.1@133.4,157.25 138.5,157.25 v2(139.5,158.25) 140.5,157.25 140.5,149 ; R19.2@141.65,115.5 R19.2@141.7,115.55 143.45,115.55 143.55,115.55 v2(144.75,116.75) ; R151.2@144.5,138.4 144.5,140 142.5,142 131,142 ; R150.2@144.5,145.4 144.5,146.75 142.25,149 140.5,149 ; v2(144.75,127) 144.75,128 141.16,131.59 J21.3@133.3,131.59 132.66,131.59 131,133.25 131,142 ; C42.2@173.425,195.75 v2(178.5,195.75) TP4.1@182,195.75 186.5,195.75 ; C46.2@186.125,190.675 C45.2@186.125,192.425 186.125,195.375 186.5,195.75 ; R132.1@206.5,169.15 206.5,182 192.25,196.25 187,196.25 186.5,195.75 ; 131,142 131,147.75 132.25,149 133.25,149 140.5,149
  Bottom Layer w0.25: v2(162.75,178) v2(165,180.25) ; v2(179.875,167.275) 180.5,166.65 v2(180.5,151.5)
  Bottom Layer w0.254: v2(170.75,114.25) 170.75,115 v2(173.75,118)
  Bottom Layer w0.5: R156.2@133.15,149.5 137,149.5 138,148.5 138,136.29 J21.3@133.3,131.59 ; Q15.3@142.5,154.55 144,156.05 144,158.5 142.5,160 ; v2(168.5,161.25) v2(168.5,163.25) v2(168.5,165.25) v2(168.5,167.25) 168.5,168.5 169.25,169.25 177,169.25 178.975,167.275 v2(179.875,167.275) ; v2(178.5,188.5) v2(178.5,195.75) ; v2(205.5,148.25) 207,146.75 211,146.75 211.75,146 211.75,143.25 212.5,142.5 v2(213.75,142.5) 213.75,141 214.75,140 v2(214.75,132.75) ; v2(206.5,171.25) 207,171.25 211.5,166.75 v2(211.5,156.5) ; v2(214.75,114.25) v2(214.75,128.6)
  Bottom Layer w1: v2(139.5,158.25) 140.75,158.25 142.5,160 143.7,161.2 v2(143.7,169.2) v2(143.7,176.45) 143.7,181.8 v2(139.375,186.125) 137.5,184.25 134.25,184.25 132.5,186 132.5,188.75 133.5,189.75 143.25,189.75 152,198.5 158.75,198.5 162.75,194.5 173.956,194.5 176.956,197.5 180.25,197.5 TP4.1@182,195.75 ; v2(144.75,116.75) v2(144.75,127)
VCC_5V: C11.2 C12.2 C13.2 C43.2 C44.2 JP2.2 L1.2 LED3.1 R5.2 TP1.1 U8.1 U8.3 | length 80.5
  Top Layer w0.4: U8.1@185.1,186.35 185.1,186.975 185.55,187.425 186.55,187.425 187,186.975 U8.3@187,186.35
  Top Layer w0.5: C44.2@184.875,183.675 185.1,183.9 U8.1@185.1,186.35
  Top Layer w0.8: C13.2@190,181.325 191,181.325 ; C11.2@191,178.65 191,181.325 ; C12.2@192,181.325 191,181.325
  Top Layer w1: LED3.1@134.05,203.75 134.05,201.7 v2(135,200.75) ; C43.2@161.5,192.675 161.575,192.75 166.25,192.75 ; JP2.2@166.25,197.21 166.25,192.75 ; 184.5,186.25 184.5,186.75 178.5,192.75 167.5,192.75 166.25,192.75 ; C11.2@191.25,178.4 L1.2@194.15,178.4
  Bottom Layer w1: v2(135,200.75) 135.75,200 160,200 162.79,197.21 JP2.2@166.25,197.21
VCC_5V_CC: J1.77 J1.82 J1.87 J1.92 J1.96 JP2.1 | length 57.6
  Top Layer w0.5: J1.96@154.365,186.135 154.365,186.885 153.25,188 153.25,189 154.25,190 154.75,190 164.5,199.75 JP2.1@166.25,199.75
  Bottom Layer w0.5: J1.77@152.46,162.005 151,163.465 151,169 ; J1.87@152.46,174.705 151,173.245 ; J1.82@154.365,168.355 151.645,168.355 151,169 ; J1.92@154.365,181.055 151.805,181.055 151,180.25 ; J1.96@154.365,186.135 152.135,186.135 151,185 151,180.25 ; 151,169 151,173.245 ; 151,173.245 151,180.25
VDCBUS: J1.11 R35.2 R36.1 | length 33.9
  Top Layer w0.5: J1.11@156.27,136.605 156.292,136.627 169.656,136.627 169.678,136.605 183.355,136.605 185.25,138.5 R36.1@187.35,138.5
  Top Layer w0.8: R36.1@187.35,138.5 R35.2@187.35,140.5
VDD_SPI/BIAS: C73.2 R132.2 U1.49 | length 20.4
  Top Layer w0.25: U1.49@191.75,160 199.5,160 201.25,161.75 203.5,161.75 205.5,163.75 C73.2@206.575,163.75
  Top Layer w0.8: C73.2@206.575,163.75 R132.2@206.575,167.775
pads on no net: J1.0 J1.1 J1.2 J1.3 J1.4 J1.5 J1.6 J1.16 J1.18 J1.20 J1.22 J1.32 J1.51 J1.52 J1.53 J1.54 J1.55 J1.56 J1.65 J1.66 J1.68 J1.70 J1.72 J1.95

## Polygon pours and split planes (outlines as drawn)
NetC16_1 on Top Layer "Top Layer-No Net 1" (solid, pour order 11): 329,188 337.5,188 337.5,185 337.5,177.75 338,177.25 347.25,177.25 347.25,121.25 347.25,112 347.25,85.25 347,85 331.75,85 311.5,85 311.5,87.5 311.5,134.5 312,134.5 332,134.5 332,135.25 332,162.5 329,162.5 329,188
GND on Top Layer "Top Layer-No Net 1" (solid, pour order 17): 130,210 380,210 380,204.5 380,80 130,80 130,210
PVDD on Top Layer "Top Layer-No Net 1" (solid, pour order 13): 193,150.25 190.75,150.25 189.75,150.25 188.25,148.75 188.25,142 188.25,139.75 191.25,139.75 191.5,139.75 192.75,141 193,141.25 193,147.5 193,150.25
GND on Top Layer "Top Layer-No Net 1" (solid, pour order 12): 181,146.75 181,148.25 182,149.25 183,150.25 183.75,150.25 186.25,150.25 187.75,148.75 188,148.5 188,146.5 188,142.25 188,142 186.25,142 182.25,142 181.5,142 181.25,142.25 181,142.5 181,148.25
NetC9_2 on Top Layer "Top Layer-No Net 1" (solid, pour order 10): 191.2,161.2 193.2,161.2 194.1,161.2 195.4,162.5 196,163.1 196.8,163.1 200.6,163.1 201.5,164 201.7,164.2 201.7,168.3 201.7,170.3 201.3,170.7 199.9,170.7 199.7,170.7 199.5,170.9 199.4,171 199.4,172.5 199.4,181.2 199.6,181.4 201.5,181.4 202.4,181.4 202.7,181.1 202.7,178.9 202.7,163.2 201.9,162.4 201.7,162.2 200.3,162.2 200.3,162 199.6,161.3 198.7,160.4 194.7,160.4 194.6,160.3 191.2,160.3 191.2,161.2
PVDD on Top Layer "Top Layer-No Net 1" (solid, pour order 15): 215,210 380,210 380,155.5 351.25,155.5 350,155.5 350,188 348.25,188 218.5,188 215,191.5
NetC16_1 on Bottom Layer "Bottom NetC16_1" (solid, pour order 18): 343.5,134.5 347.25,134.5 347.25,132 347.25,85 343.5,85
GND on Bottom Layer "Top Layer-No Net 1" (solid, pour order 16): 130,210 380,210 380,204.5 380,80 130,80 130,210
PVDD on Bottom Layer "Top Layer-No Net 1" (solid, pour order 14): 215,210 380,210 380,155.5 351.25,155.5 350,155.5 350,188 348.25,188 218.5,188 215,191.5

## Keep-outs
Keep-Out Layer:
  the board outline again, w0.254

## Other copper
Top Layer:
  rectangle net GND: 233.25,151.25 235.5,156.25
  rectangle net PVDD: 212.25,194.5 215,201.75
  rectangle net GND: 234.75,156 237.25,157.25
  rectangle net VCC_5V: 184.25,184.25 185.25,187
  rectangle net VCC_5V: 184.25,172.75 187.5,177.25
  rectangle net VCC_5V: 184.25,181.5 185.5,184.25
  rectangle net VCC_5V: 184.25,177.25 189.5,181.75
  rectangle net VCC_5V: 189.5,177.25 196,181.75
  rectangle net GND: 195.75,170.25 197.25,170.75
  rectangle net GND: 195.75,166.75 201.25,170.25
  rectangle net GND: 193,170.75 197.25,173
  rectangle net GND: 189.75,173 197.25,176.25
  rectangle net GND: 225,80.5 348.5,84.5
  rectangle net GND: 261.5,84.5 268.5,142.5
  rectangle net GND: 303,84.5 311,136.5
  rectangle net GND: 303.5,182.5 311,187.5
  rectangle net GND: 295.5,178 303.5,187.5
  rectangle net GND: 303,174.5 311,182.5
  rectangle net GND: 303,136.5 315,174.5
  rectangle net GND: 311,136.5 317.25,161
  rectangle net GND: 267,135.5 274.25,160.5
  rectangle net GND: 261.5,142.5 273,178.5
  rectangle net GND: 265.5,181.5 274.5,182.5
  rectangle net GND: 260.5,178.5 265.5,184
  rectangle net GND: 253.5,178.5 274.5,187.5
  rectangle net GND: 265,167.5 274.5,181.69
  rectangle net NetQ8_3: 237.5,135.5 242.5,145
  rectangle net NetQ9_3: 279.5,135.5 284.5,145
  rectangle net NetQ7_3: 322.5,135.5 327.5,145
  rectangle net NetC17_1: 286.5,177.5 295,187.5
  rectangle net NetC17_1: 289.5,132.5 302.5,173
  rectangle net NetC17_1: 286.5,170.5 302.5,177.5
  rectangle net NetC17_1: 286.5,162.5 290,170.5
  rectangle net NetC18_1: 244,162.5 247.5,170.5
  rectangle net NetC18_1: 244,170.5 261,177.5
  rectangle net NetC18_1: 247,132.5 261,173
  rectangle net NetC18_1: 244,177.5 252.5,187.5
  rectangle net GND: 348.5,146.5 379,155
  rectangle net GND: 348.5,80.5 379,89
  rectangle net GND: 352.5,89 379,147.5
  rectangle net NetC18_1: 225,85 261,134.5
  rectangle net NetC17_1: 269,85 302.5,134.5
  rectangle net GND: 276.25,156 285,158.75
  rectangle net GND: 274.25,151.5 277.5,157
  rectangle net GND: 317.25,151.25 320.5,157.25
  rectangle net GND: 319,156 328,158.75
  rectangle net GND: 261.25,182 268.75,187.5
  rectangle net GND: 308.75,173.25 316.25,187.5
  rectangle net GND: 233.5,156 243,158.5
  pour cut-out: 328.25,152.5 320,152.5 320,145.5 328.241,145.5 328.241,152.373
  pour cut-out: 243.25,152.5 235,152.5 235,145.5 243.241,145.5 243.241,152.373
  pour cut-out: 285.25,152.5 277,152.5 277,145.5 285.241,145.5 285.241,152.373
Bottom Layer:
  rectangle net NetC16_1: 311.5,85 343.5,134.5
  rectangle net NetC18_1: 225,85 261,134.5
  rectangle net NetC17_1: 269,85 302.5,134.5
  rectangle net GND: 348.5,80.5 379,94
  rectangle net GND: 372.5,89 379,94
  rectangle net GND: 225,80.5 348.5,84.5
  rectangle net GND: 261.5,84.5 268.5,134.5
  rectangle net GND: 303,84.5 311,134.5
  rectangle net GND: 331.25,138.75 347.75,158.75
  rectangle net GND: 347.75,138.75 348.75,155

## Silkscreen, mask and mechanical layers (free items; w line width, h text height)
Top Overlay:
  circle w0.254: c227.5,202.5 r2.795
  circle w0.254: c347.5,202.5 r2.795
  circle w0.254: c347.5,117.5 r2.795
  circle w0.254: c227.5,117.5 r2.795
  circle w0.254: c212.5,187.5 r3.808
  circle w0.254: c355,187.5 r3.808
  circle w0.254: c355,102.5 r3.808
  circle w0.254: c212.5,92.5 r3.808
  circle w0.254: c150,92.5 r3.808
  circle w0.254: c167.5,187.5 r3.808
  lines w0.2: 175.25,173.25 182.25,173.25 ; 175.25,175 182.25,175 ; 177.5,171.25 177.5,176.5 ; 179.75,171.25 179.75,176.5 ; 183,164.75 183,170.75 ; 183,170 182.25,170.75 182.25,171.25 ; 208.5,131.75 211.75,131.75 ; 208.5,133.25 212,133.25 212.301,133.551 212.301,135.051 213.05,135.8 ; 211.5,131.75 212,131.75 212.5,132.25 212.5,133 213.25,133.75 ; 218.27,122.2 219.466,122.2 219.766,122.5 223,122.5 ; 218.27,137.2 219.466,137.2 219.766,137.5 223,137.5 ; 182.25,171.25 182.25,176.5 175.25,176.5 175.25,171.75 175.25,171.25 182.25,171.25 ; 227.5,123.5 233.5,117.5 341,117.5 347.5,124 347.5,197 342,202.5 233.5,202.5 227.5,196.5 227.5,123.5
  lines w0.4: 188,182 178,182 178,193 184,193 184,196 194,196 194,184 ; 196,185 205,185 205,168 ; 204,141 204,148 207,148 207,160 223,160 224,160 224,116 204,116 204,131 206,131 206,135 ; 213,194 219,188 252,188 ; 213,201 214,202 214,209.75 ; 225,102 225,84.5 261,84.5 261,102 ; 258,188 295,188 ; 269,102 269,84.5 302,84.5 302,102 ; 300,188 338,188 ; 311,102 311,84.5 347,84.5 347,103 ; 344,188 348.5,188 350,188 350,155.5 379.5,155.5 ; 353,118 353,112 359,106 375,106 378,106 378,142 375,142 360,142 353,135 353,130 ; 354,206 360,206 377,206 377,173 ; 163,108 186,108 186,121 164,121 163,121 163,108
  text "5V" at 131,205.25 h3
  text "5V Jumper for TMS" at 161,202.75 h2
  text "PVDD" at 131,198 h3
  text "3V3" at 189,197 h4
  text "PVDD" at 358,192 h7 r90
  text "H" at 218,191 h10
  text "5V" at 199,186 h4
  text "G" at 172,183 h10
  text "OCTW" at 130.75,176.75 h3
  text "G" at 210.25,176 h10
  text "FAULT" at 131,169.5 h3
  text "H" at 234.25,168.25 h10
  text "0 - 60V" at 351,166 h12
  text "STATUS" at 130.75,162.25 h3
  text "H" at 351,155 h10
  text "Fault" at 139,154 h4
  text "Status" at 139,151 h4
  text "BT1" at 137.25,145 h3
  text "BT2" at 137.25,138 h3
  text "POT" at 140.5,131.25 h4 r270
  text "REF 1V65" at 163,122 h4
  text "External Current Sense Amplifiers" at 227,121 h4 r90
  text "START" at 130.5,120.5 h4
  text "GND" at 354,118.5 h7 r90
  text "3  PHASE  MOTOR  OUT" at 255.25,106.75 h8
  text "STOP" at 130.5,103.5 h4
  text "OUT B" at 278.5,102 h7
  text "OUT C" at 233.75,101.75 h7
  text "OUT A" at 322.75,101.75 h7
  text "GND" at 362.5,100 h6
  text "STOP" at 142.25,95.25 h3
  text "Designed by Caner ALP" at 163.75,94.75 h5
  text "Motor Control Board" at 163.75,91 h5
  text "G" at 154.5,88 h10
  text "G" at 217,88 h10
  text "DRV8301 - V1.0" at 163.75,87.25 h5
  text "G" at 370.75,87.25 h10
  text "START" at 142.25,86.75 h3
Bottom Overlay:
  text "W" at 212,112.5 h12
Top Paste:
  rectangle: 185.75,152 189.75,160.5
Bottom Paste:
  rectangle: 185,152.75 190.75,162.5
Bottom Solder:
  rectangle: 184.75,151 191,162.75

## Dimensions
130,79 to 380,80 on Top Overlay
130,80 to 130,210 on Top Overlay

## Text inside footprints (layer, text, board x,y; h text height)
C50: Bottom Overlay "+" at 368.248,165.475 h2 r90
C93: Bottom Overlay "+" at 311.763,198.632 h2 r270
C94: Bottom Overlay "+" at 264.263,198.632 h2 r270